# KiCad board fpga_panelized.kicad_pcb (continued)
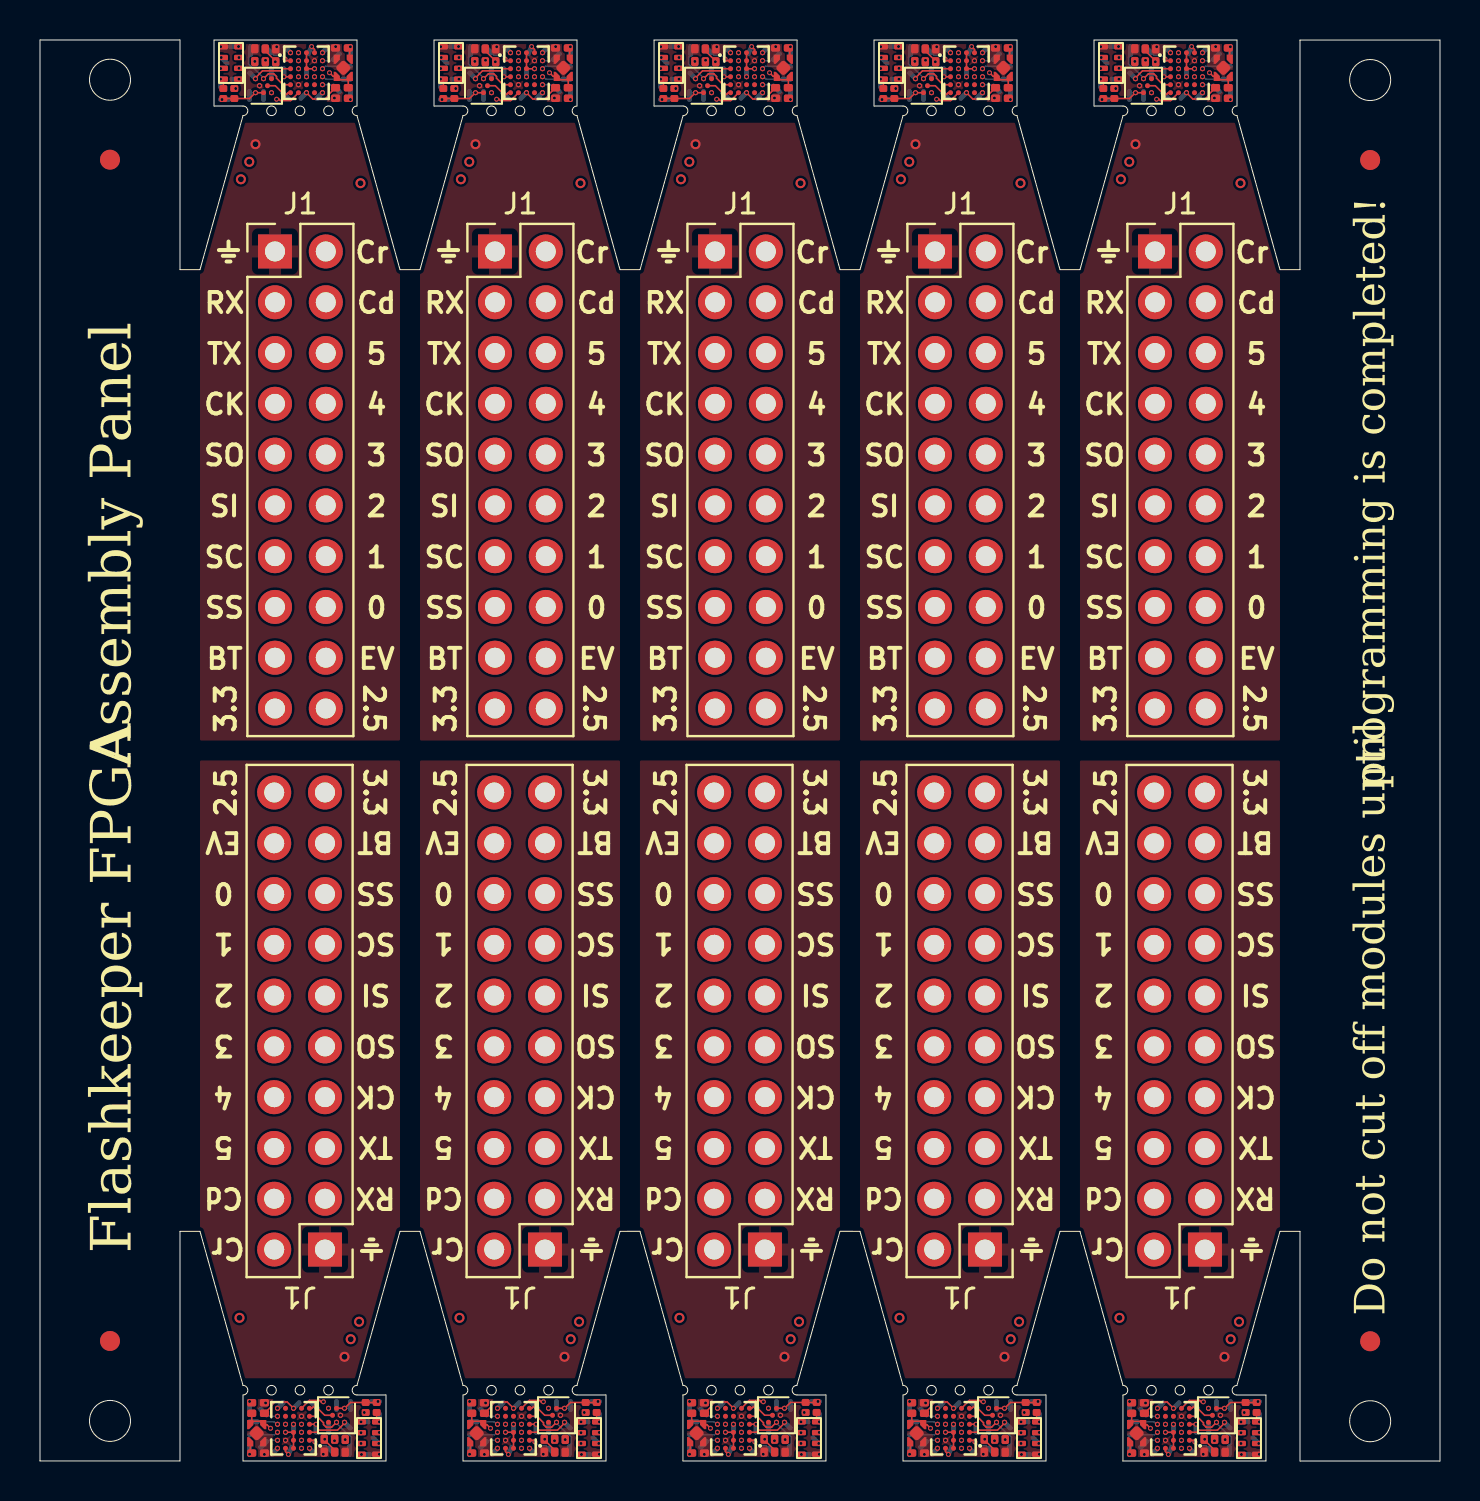
[diagram p0: board, top side]
## Library data of the parts
C1 C1#2-C1#10 C2 C2#2-C2#10 C3 C3#2-C3#10 C4 C4#2-C4#10 = -: Description: Unpolarized capacitor; JLC: C335103; ki_fp_filters: C_*
J1 J1#2-J1#10 = -: Description: Generic connector, double row, 02x10, odd/even pin numbering scheme (row 1 odd numbers, row 2 even numbers), script generated (kicad-library-utils/schlib/autogen/connector/); ki_fp_filters: Connector*:*_2x??_*
R1 R1#2-R1#10 = -: Description: Resistor, US symbol; JLC: C106225; ki_fp_filters: R_*
R3 R3#2-R3#10 = -: Description: Resistor, US symbol; JLC: C77623; ki_fp_filters: R_*
REF** REF**#2-REF**#4 = -: KiLib_Generator: fiducial
RN1 RN1#2-RN1#10 = -: Description: 2 resistor array; JLC: C1731882; ki_fp_filters: R?Array?SIP*
TP1 TP1#2-TP1#10 TP2 TP2#2-TP2#10 TP3 TP3#2-TP3#10 TP4 TP4#2-TP4#10 TP5 TP5#2-TP5#10 TP6 TP6#2-TP6#10 TP7 TP7#2-TP7#10 TP8 TP8#2-TP8#10 TP9 TP9#2-TP9#10 TP10 TP10#2-TP10#10 TP11 TP11#2-TP11#10 TP12 TP12#2-TP12#10 TP13 TP13#2-TP13#10 TP14 TP14#2-TP14#10 TP15 TP15#2-TP15#10 TP16 TP16#2-TP16#10 TP17 TP17#2-TP17#10 TP18 TP18#2-TP18#10 TP19 TP19#2-TP19#10 TP20 TP20#2-TP20#10 TP21 TP21#2-TP21#10 TP23 TP23#2-TP23#10 TP24 TP24#2-TP24#10 TP25 TP25#2-TP25#10 TP26 TP26#2-TP26#10 = -: Description: test point; ki_fp_filters: Pin* Test*
U1 U1#2-U1#10 = -: MANUFACTURER: Lattice Semiconductor; PARTREV: 1.4; STANDARD: IPC7351B; SNAPEDA_PACKAGE_ID: 43866; JLC: C1519053
U2 U2#2-U2#10 = -: Datasheet: https://www.ti.com/lit/ds/symlink/tps7a20.pdf; Description: 300 mA Low Dropout Voltage Regulator, Fixed Output, 1.6..6.0Vin, Low-Noise (7μV RMS), 6.5μA IQ LDO, X2SON-5; JLC: C880336; ki_fp_filters: *X2SON*1x1mm*P0.65mm*
U3 U3#2-U3#10 = -: Datasheet: http://www.adestotech.com/wp-content/uploads/DS-AT25DF041B_040.pdf; Description: 4-Mbit, 1.65V Minimum SPI Serial Flash Memory with Dual-I/O, WLCSP-8; JLC: C2062836; ki_fp_filters: WLCSP?8*1.58x1.63*Layout3x5*P0.35x0.4mm*Ball0.25mm*
U4 U4#2-U4#10 = -: Datasheet: https://www.microcrystal.com/fileadmin/Media/Products/RTC/Datasheet/RV-3028-C7.pdf; Description: Realtime Clock/Calendar I2C Interface, Extreme Low Power, 1.1 V to 5.5 V, MicroCrystal C7; JLC: C46471039; ki_fp_filters: MicroCrystal*C7*1.5x3.2mm*

## Footprints (pads in the part's own frame, mm; a bottom-side part is the same pattern mirrored in y, then rotated)
BGA30N40P5X6_253X211X60N
  round 0.25 smd: A1(-0.8,1) A2(-0.4,1) A3(0,1) A4(0.4,1) A5(0.8,1) B1(-0.8,0.6) B2(-0.4,0.6) B3(0,0.6) B4(0.4,0.6) B5(0.8,0.6) C1(-0.8,0.2) C2(-0.4,0.2) C3(0,0.2) C4(0.4,0.2) C5(0.8,0.2) D1(-0.8,-0.2) D2(-0.4,-0.2) D3(0,-0.2) D4(0.4,-0.2) D5(0.8,-0.2) E1(-0.8,-0.6) E2(-0.4,-0.6) E3(0,-0.6) E4(0.4,-0.6) E5(0.8,-0.6) F1(-0.8,-1) F2(-0.4,-1) F3(0,-1) F4(0.4,-1) F5(0.8,-1)
C_Smaller_0201
  rrect 0.318x0.36 smd: (-0.345,0) (0.345,0)
  rrect 0.46x0.375 smd: 1(-0.32,0) 2(0.32,0)
Fiducial_1mm_Mask2mm
  round 1 smd: (0,0)
FPGACenterPad
  oval 0.25x0.65 smd far side: 1(0,0.2)
PinHeader_2x10_P2.54mm_Vertical
  rect 1.7x1.7 hole 1: 1(0,0)
  round 1.7 hole 1: 2(2.54,0) 3(0,-2.54) 4(2.54,-2.54) 5(0,-5.08) 6(2.54,-5.08) 7(0,-7.62) 8(2.54,-7.62) 9(0,-10.16) 10(2.54,-10.16) 11(0,-12.7) 12(2.54,-12.7) 13(0,-15.24) 14(2.54,-15.24) 15(0,-17.78) 16(2.54,-17.78) 17(0,-20.32) 18(2.54,-20.32) 19(0,-22.86) 20(2.54,-22.86)
R_Smaller_0201
  rrect 0.318x0.36 smd: (-0.345,0) (0.345,0)
  rrect 0.46x0.375 smd: 1(-0.32,0) 2(0.32,0)
RV-3028-C8
  rrect 0.27x0.5 smd: 1(-0.81,-0.4) 2(-0.27,-0.4) 3(0.27,-0.4) 4(0.81,-0.4) 5(0.81,0.4) 6(0.27,0.4) 7(-0.27,0.4) 8(-0.81,0.4)
Texas_X2SON-4_1x1mm_P0.65mm
  custom 0.36x0.21 smd: (-0.43,0.325) (-0.43,-0.325) (0.43,0.325) (0.43,-0.325)
  custom 0.4x0.21 smd: (-0.43,0.325) (-0.43,-0.325) (0.43,0.325) (0.43,-0.325)
  custom 0.46x0.31 smd: 1(-0.43,0.325) 2(-0.43,-0.325) 3(0.43,-0.325) 4(0.43,0.325)
  rrect 0.58x0.58 smd rot 45: 5(0,0)
WLCSP-8_1.58x1.63x0.35mm_Layout3x5_P0.35x0.4mm_Ball0.25mm_Pad0.25mm_NSMD
  round 0.25 smd: A1(-0.35,0.4) A3(0.35,0.4) B2(0,0.2) C1(-0.35,0) C3(0.35,0) D2(0,-0.2) E1(-0.35,-0.4) E3(0.35,-0.4)
YC102
  rrect 0.4x0.35 smd: 1(-0.275,-0.25) 2(-0.275,0.25) 3(0.275,-0.25) 4(0.275,0.25)

## Nets
+1V2: C2.1 C2#2.1 C2#3.1 C2#4.1 C2#5.1 C2#6.1 C2#7.1 C2#8.1 C2#9.1 C2#10.1 R3.1 R3#2.1 R3#3.1 R3#4.1 R3#5.1 R3#6.1 R3#7.1 R3#8.1 R3#9.1 R3#10.1 TP20.1 TP20#2.1 TP20#3.1 TP20#4.1 TP20#5.1 TP20#6.1 TP20#7.1 TP20#8.1 TP20#9.1 TP20#10.1 U1.C2 U1#2.C2 U1#3.C2 U1#4.C2 U1#5.C2 U1#6.C2 U1#7.C2 U1#8.C2 U1#9.C2 U1#10.C2 U2.1 U2#2.1 U2#3.1 U2#4.1 U2#5.1 U2#6.1 U2#7.1 U2#8.1 U2#9.1 U2#10.1
+2V5: C4.2 C4#2.2 C4#3.2 C4#4.2 C4#5.2 C4#6.2 C4#7.2 C4#8.2 C4#9.2 C4#10.2 J1.20 J1#2.20 J1#3.20 J1#4.20 J1#5.20 J1#6.20 J1#7.20 J1#8.20 J1#9.20 J1#10.20 TP19.1 TP19#2.1 TP19#3.1 TP19#4.1 TP19#5.1 TP19#6.1 TP19#7.1 TP19#8.1 TP19#9.1 TP19#10.1 U1.D4 U1#2.D4 U1#3.D4 U1#4.D4 U1#5.D4 U1#6.D4 U1#7.D4 U1#8.D4 U1#9.D4 U1#10.D4
GND: C1.2 C1#2.2 C1#3.2 C1#4.2 C1#5.2 C1#6.2 C1#7.2 C1#8.2 C1#9.2 C1#10.2 C2.2 C2#2.2 C2#3.2 C2#4.2 C2#5.2 C2#6.2 C2#7.2 C2#8.2 C2#9.2 C2#10.2 C3.1 C3#2.1 C3#3.1 C3#4.1 C3#5.1 C3#6.1 C3#7.1 C3#8.1 C3#9.1 C3#10.1 C4.1 C4#2.1 C4#3.1 C4#4.1 C4#5.1 C4#6.1 C4#7.1 C4#8.1 C4#9.1 C4#10.1 J1.1 J1#2.1 J1#3.1 J1#4.1 J1#5.1 J1#6.1 J1#7.1 J1#8.1 J1#9.1 J1#10.1 TP16.1 TP16#2.1 TP16#3.1 TP16#4.1 TP16#5.1 TP16#6.1 TP16#7.1 TP16#8.1 TP16#9.1 TP16#10.1 TP25.1 TP25#2.1 TP25#3.1 TP25#4.1 TP25#5.1 TP25#6.1 TP25#7.1 TP25#8.1 TP25#9.1 TP25#10.1 U1.B4 U1.E2 U1#2.B4 U1#2.E2 U1#3.B4 U1#3.E2 U1#4.B4 U1#4.E2 U1#5.B4 U1#5.E2 U1#6.B4 U1#6.E2 U1#7.B4 U1#7.E2 U1#8.B4 U1#8.E2 U1#9.B4 U1#9.E2 U1#10.B4 U1#10.E2 U2.2 U2.5 U2#2.2 U2#2.5 U2#3.2 U2#3.5 U2#4.2 U2#4.5 U2#5.2 U2#5.5 U2#6.2 U2#6.5 U2#7.2 U2#7.5 U2#8.2 U2#8.5 U2#9.2 U2#9.5 U2#10.2 U2#10.5 U3.B2 U3#2.B2 U3#3.B2 U3#4.B2 U3#5.B2 U3#6.B2 U3#7.B2 U3#8.B2 U3#9.B2 U3#10.B2 U4.5 U4#2.5 U4#3.5 U4#4.5 U4#5.5 U4#6.5 U4#7.5 U4#8.5 U4#9.5 U4#10.5
VBAT: J1.17 J1#2.17 J1#3.17 J1#4.17 J1#5.17 J1#6.17 J1#7.17 J1#8.17 J1#9.17 J1#10.17 TP21.1 TP21#2.1 TP21#3.1 TP21#4.1 TP21#5.1 TP21#6.1 TP21#7.1 TP21#8.1 TP21#9.1 TP21#10.1 U4.6 U4#2.6 U4#3.6 U4#4.6 U4#5.6 U4#6.6 U4#7.6 U4#8.6 U4#9.6 U4#10.6
VBUS: C3.2 C3#2.2 C3#3.2 C3#4.2 C3#5.2 C3#6.2 C3#7.2 C3#8.2 C3#9.2 C3#10.2 J1.19 J1#2.19 J1#3.19 J1#4.19 J1#5.19 J1#6.19 J1#7.19 J1#8.19 J1#9.19 J1#10.19 R1.1 R1#2.1 R1#3.1 R1#4.1 R1#5.1 R1#6.1 R1#7.1 R1#8.1 R1#9.1 R1#10.1 RN1.1 RN1.3 RN1#2.1 RN1#2.3 RN1#3.1 RN1#3.3 RN1#4.1 RN1#4.3 RN1#5.1 RN1#5.3 RN1#6.1 RN1#6.3 RN1#7.1 RN1#7.3 RN1#8.1 RN1#8.3 RN1#9.1 RN1#9.3 RN1#10.1 RN1#10.3 TP9.1 TP9#2.1 TP9#3.1 TP9#4.1 TP9#5.1 TP9#6.1 TP9#7.1 TP9#8.1 TP9#9.1 TP9#10.1 TP26.1 TP26#2.1 TP26#3.1 TP26#4.1 TP26#5.1 TP26#6.1 TP26#7.1 TP26#8.1 TP26#9.1 TP26#10.1 U1.A3 U1.B3 U1.C3 U1.C4 U1.D2 U1#2.A3 U1#2.B3 U1#2.C3 U1#2.C4 U1#2.D2 U1#3.A3 U1#3.B3 U1#3.C3 U1#3.C4 U1#3.D2 U1#4.A3 U1#4.B3 U1#4.C3 U1#4.C4 U1#4.D2 U1#5.A3 U1#5.B3 U1#5.C3 U1#5.C4 U1#5.D2 U1#6.A3 U1#6.B3 U1#6.C3 U1#6.C4 U1#6.D2 U1#7.A3 U1#7.B3 U1#7.C3 U1#7.C4 U1#7.D2 U1#8.A3 U1#8.B3 U1#8.C3 U1#8.C4 U1#8.D2 U1#9.A3 U1#9.B3 U1#9.C3 U1#9.C4 U1#9.D2 U1#10.A3 U1#10.B3 U1#10.C3 U1#10.C4 U1#10.D2 U2.3 U2.4 U2#2.3 U2#2.4 U2#3.3 U2#3.4 U2#4.3 U2#4.4 U2#5.3 U2#5.4 U2#6.3 U2#6.4 U2#7.3 U2#7.4 U2#8.3 U2#8.4 U2#9.3 U2#9.4 U2#10.3 U2#10.4 U3.A1 U3.C1 U3#2.A1 U3#2.C1 U3#3.A1 U3#3.C1 U3#4.A1 U3#4.C1 U3#5.A1 U3#5.C1 U3#6.A1 U3#6.C1 U3#7.A1 U3#7.C1 U3#8.A1 U3#8.C1 U3#9.A1 U3#9.C1 U3#10.A1 U3#10.C1 U4.7 U4#2.7 U4#3.7 U4#4.7 U4#5.7 U4#6.7 U4#7.7 U4#8.7 U4#9.7 U4#10.7
CDONE: J1.4 J1#2.4 J1#3.4 J1#4.4 J1#5.4 J1#6.4 J1#7.4 J1#8.4 J1#9.4 J1#10.4 TP1.1 TP1#2.1 TP1#3.1 TP1#4.1 TP1#5.1 TP1#6.1 TP1#7.1 TP1#8.1 TP1#9.1 TP1#10.1 U1.D3 U1#2.D3 U1#3.D3 U1#4.D3 U1#5.D3 U1#6.D3 U1#7.D3 U1#8.D3 U1#9.D3 U1#10.D3
CLK: J1.7 J1#2.7 J1#3.7 J1#4.7 J1#5.7 J1#6.7 J1#7.7 J1#8.7 J1#9.7 J1#10.7 TP11.1 TP11#2.1 TP11#3.1 TP11#4.1 TP11#5.1 TP11#6.1 TP11#7.1 TP11#8.1 TP11#9.1 TP11#10.1 U1.F2 U1#2.F2 U1#3.F2 U1#4.F2 U1#5.F2 U1#6.F2 U1#7.F2 U1#8.F2 U1#9.F2 U1#10.F2 U4.1 U4#2.1 U4#3.1 U4#4.1 U4#5.1 U4#6.1 U4#7.1 U4#8.1 U4#9.1 U4#10.1
CRESET: J1.2 J1#2.2 J1#3.2 J1#4.2 J1#5.2 J1#6.2 J1#7.2 J1#8.2 J1#9.2 J1#10.2 R1.2 R1#2.2 R1#3.2 R1#4.2 R1#5.2 R1#6.2 R1#7.2 R1#8.2 R1#9.2 R1#10.2 TP18.1 TP18#2.1 TP18#3.1 TP18#4.1 TP18#5.1 TP18#6.1 TP18#7.1 TP18#8.1 TP18#9.1 TP18#10.1 U1.F3 U1#2.F3 U1#3.F3 U1#4.F3 U1#5.F3 U1#6.F3 U1#7.F3 U1#8.F3 U1#9.F3 U1#10.F3
CSPI_MISO: J1.11 J1#2.11 J1#3.11 J1#4.11 J1#5.11 J1#6.11 J1#7.11 J1#8.11 J1#9.11 J1#10.11 TP13.1 TP13#2.1 TP13#3.1 TP13#4.1 TP13#5.1 TP13#6.1 TP13#7.1 TP13#8.1 TP13#9.1 TP13#10.1 U1.E1 U1#2.E1 U1#3.E1 U1#4.E1 U1#5.E1 U1#6.E1 U1#7.E1 U1#8.E1 U1#9.E1 U1#10.E1 U3.C3 U3#2.C3 U3#3.C3 U3#4.C3 U3#5.C3 U3#6.C3 U3#7.C3 U3#8.C3 U3#9.C3 U3#10.C3
CSPI_MOSI: J1.9 J1#2.9 J1#3.9 J1#4.9 J1#5.9 J1#6.9 J1#7.9 J1#8.9 J1#9.9 J1#10.9 TP12.1 TP12#2.1 TP12#3.1 TP12#4.1 TP12#5.1 TP12#6.1 TP12#7.1 TP12#8.1 TP12#9.1 TP12#10.1 U1.F1 U1#2.F1 U1#3.F1 U1#4.F1 U1#5.F1 U1#6.F1 U1#7.F1 U1#8.F1 U1#9.F1 U1#10.F1 U3.D2 U3#2.D2 U3#3.D2 U3#4.D2 U3#5.D2 U3#6.D2 U3#7.D2 U3#8.D2 U3#9.D2 U3#10.D2
CSPI_SCK: J1.13 J1#2.13 J1#3.13 J1#4.13 J1#5.13 J1#6.13 J1#7.13 J1#8.13 J1#9.13 J1#10.13 TP14.1 TP14#2.1 TP14#3.1 TP14#4.1 TP14#5.1 TP14#6.1 TP14#7.1 TP14#8.1 TP14#9.1 TP14#10.1 U1.D1 U1#2.D1 U1#3.D1 U1#4.D1 U1#5.D1 U1#6.D1 U1#7.D1 U1#8.D1 U1#9.D1 U1#10.D1 U3.E1 U3#2.E1 U3#3.E1 U3#4.E1 U3#5.E1 U3#6.E1 U3#7.E1 U3#8.E1 U3#9.E1 U3#10.E1 U4.3 U4#2.3 U4#3.3 U4#4.3 U4#5.3 U4#6.3 U4#7.3 U4#8.3 U4#9.3 U4#10.3
CSPI_SS: J1.15 J1#2.15 J1#3.15 J1#4.15 J1#5.15 J1#6.15 J1#7.15 J1#8.15 J1#9.15 J1#10.15 RN1.4 RN1#2.4 RN1#3.4 RN1#4.4 RN1#5.4 RN1#6.4 RN1#7.4 RN1#8.4 RN1#9.4 RN1#10.4 TP15.1 TP15#2.1 TP15#3.1 TP15#4.1 TP15#5.1 TP15#6.1 TP15#7.1 TP15#8.1 TP15#9.1 TP15#10.1 U1.C1 U1#2.C1 U1#3.C1 U1#4.C1 U1#5.C1 U1#6.C1 U1#7.C1 U1#8.C1 U1#9.C1 U1#10.C1 U3.A3 U3#2.A3 U3#3.A3 U3#4.A3 U3#5.A3 U3#6.A3 U3#7.A3 U3#8.A3 U3#9.A3 U3#10.A3
DRX: J1.3 J1#2.3 J1#3.3 J1#4.3 J1#5.3 J1#6.3 J1#7.3 J1#8.3 J1#9.3 J1#10.3 TP10.1 TP10#2.1 TP10#3.1 TP10#4.1 TP10#5.1 TP10#6.1 TP10#7.1 TP10#8.1 TP10#9.1 TP10#10.1 U1.A1 U1#2.A1 U1#3.A1 U1#4.A1 U1#5.A1 U1#6.A1 U1#7.A1 U1#8.A1 U1#9.A1 U1#10.A1
DTX: J1.5 J1#2.5 J1#3.5 J1#4.5 J1#5.5 J1#6.5 J1#7.5 J1#8.5 J1#9.5 J1#10.5 TP17.1 TP17#2.1 TP17#3.1 TP17#4.1 TP17#5.1 TP17#6.1 TP17#7.1 TP17#8.1 TP17#9.1 TP17#10.1 U1.B1 U1#2.B1 U1#3.B1 U1#4.B1 U1#5.B1 U1#6.B1 U1#7.B1 U1#8.B1 U1#9.B1 U1#10.B1
EVT: J1.18 J1#2.18 J1#3.18 J1#4.18 J1#5.18 J1#6.18 J1#7.18 J1#8.18 J1#9.18 J1#10.18 RN1.2 RN1#2.2 RN1#3.2 RN1#4.2 RN1#5.2 RN1#6.2 RN1#7.2 RN1#8.2 RN1#9.2 RN1#10.2 TP23.1 TP23#2.1 TP23#3.1 TP23#4.1 TP23#5.1 TP23#6.1 TP23#7.1 TP23#8.1 TP23#9.1 TP23#10.1 U4.8 U4#2.8 U4#3.8 U4#4.8 U4#5.8 U4#6.8 U4#7.8 U4#8.8 U4#9.8 U4#10.8
GPIO0: J1.16 J1#2.16 J1#3.16 J1#4.16 J1#5.16 J1#6.16 J1#7.16 J1#8.16 J1#9.16 J1#10.16 TP2.1 TP2#2.1 TP2#3.1 TP2#4.1 TP2#5.1 TP2#6.1 TP2#7.1 TP2#8.1 TP2#9.1 TP2#10.1 U1.A5 U1#2.A5 U1#3.A5 U1#4.A5 U1#5.A5 U1#6.A5 U1#7.A5 U1#8.A5 U1#9.A5 U1#10.A5
GPIO1: J1.14 J1#2.14 J1#3.14 J1#4.14 J1#5.14 J1#6.14 J1#7.14 J1#8.14 J1#9.14 J1#10.14 TP3.1 TP3#2.1 TP3#3.1 TP3#4.1 TP3#5.1 TP3#6.1 TP3#7.1 TP3#8.1 TP3#9.1 TP3#10.1 U1.B5 U1#2.B5 U1#3.B5 U1#4.B5 U1#5.B5 U1#6.B5 U1#7.B5 U1#8.B5 U1#9.B5 U1#10.B5
GPIO2: J1.12 J1#2.12 J1#3.12 J1#4.12 J1#5.12 J1#6.12 J1#7.12 J1#8.12 J1#9.12 J1#10.12 TP4.1 TP4#2.1 TP4#3.1 TP4#4.1 TP4#5.1 TP4#6.1 TP4#7.1 TP4#8.1 TP4#9.1 TP4#10.1 U1.C5 U1#2.C5 U1#3.C5 U1#4.C5 U1#5.C5 U1#6.C5 U1#7.C5 U1#8.C5 U1#9.C5 U1#10.C5
GPIO3: J1.10 J1#2.10 J1#3.10 J1#4.10 J1#5.10 J1#6.10 J1#7.10 J1#8.10 J1#9.10 J1#10.10 TP5.1 TP5#2.1 TP5#3.1 TP5#4.1 TP5#5.1 TP5#6.1 TP5#7.1 TP5#8.1 TP5#9.1 TP5#10.1 U1.E5 U1#2.E5 U1#3.E5 U1#4.E5 U1#5.E5 U1#6.E5 U1#7.E5 U1#8.E5 U1#9.E5 U1#10.E5
GPIO4: J1.8 J1#2.8 J1#3.8 J1#4.8 J1#5.8 J1#6.8 J1#7.8 J1#8.8 J1#9.8 J1#10.8 TP6.1 TP6#2.1 TP6#3.1 TP6#4.1 TP6#5.1 TP6#6.1 TP6#7.1 TP6#8.1 TP6#9.1 TP6#10.1 U1.D5 U1#2.D5 U1#3.D5 U1#4.D5 U1#5.D5 U1#6.D5 U1#7.D5 U1#8.D5 U1#9.D5 U1#10.D5
GPIO5: J1.6 J1#2.6 J1#3.6 J1#4.6 J1#5.6 J1#6.6 J1#7.6 J1#8.6 J1#9.6 J1#10.6 TP7.1 TP7#2.1 TP7#3.1 TP7#4.1 TP7#5.1 TP7#6.1 TP7#7.1 TP7#8.1 TP7#9.1 TP7#10.1 U1.F5 U1#2.F5 U1#3.F5 U1#4.F5 U1#5.F5 U1#6.F5 U1#7.F5 U1#8.F5 U1#9.F5 U1#10.F5
RTC_INT: TP8.1 TP8#2.1 TP8#3.1 TP8#4.1 TP8#5.1 TP8#6.1 TP8#7.1 TP8#8.1 TP8#9.1 TP8#10.1 U1.A4 U1#2.A4 U1#3.A4 U1#4.A4 U1#5.A4 U1#6.A4 U1#7.A4 U1#8.A4 U1#9.A4 U1#10.A4 U4.2 U4#2.2 U4#3.2 U4#4.2 U4#5.2 U4#6.2 U4#7.2 U4#8.2 U4#9.2 U4#10.2
RTC_SDA: TP24.1 TP24#2.1 TP24#3.1 TP24#4.1 TP24#5.1 TP24#6.1 TP24#7.1 TP24#8.1 TP24#9.1 TP24#10.1 U1.A2 U1#2.A2 U1#3.A2 U1#4.A2 U1#5.A2 U1#6.A2 U1#7.A2 U1#8.A2 U1#9.A2 U1#10.A2 U4.4 U4#2.4 U4#3.4 U4#4.4 U4#5.4 U4#6.4 U4#7.4 U4#8.4 U4#9.4 U4#10.4
Net-(U1-VCCPLL): C1.1 C1#2.1 C1#3.1 C1#4.1 C1#5.1 C1#6.1 C1#7.1 C1#8.1 C1#9.1 C1#10.1 R3.2 R3#2.2 R3#3.2 R3#4.2 R3#5.2 R3#6.2 R3#7.2 R3#8.2 R3#9.2 R3#10.2 U1.B2 U1#2.B2 U1#3.B2 U1#4.B2 U1#5.B2 U1#6.B2 U1#7.B2 U1#8.B2 U1#9.B2 U1#10.B2

Pads without a net: U1 E3 E4 F4; U1#2 E3 E4 F4; U1#3 E3 E4 F4; U1#4 E3 E4 F4; U1#5 E3 E4 F4; U1#6 E3 E4 F4; U1#7 E3 E4 F4; U1#8 E3 E4 F4; U1#9 E3 E4 F4; U1#10 E3 E4 F4; U3 E3; U3#2 E3; U3#3 E3; U3#4 E3; U3#5 E3; U3#6 E3; U3#7 E3; U3#8 E3; U3#9 E3; U3#10 E3

## Via types
v1: diameter 0.25, hole 0.15, Top to Bottom, 460 vias
v2: diameter 0.5, hole 0.3, Top to Bottom, 40 vias

## Routing (per net, layer and track width the routed paths; a pad name or vN(x,y) marks a point on that pad's centre or on a via; arc(x,y) is an arc through that point)
+1V2: length 6.4
  Top w0.076: v1(37.52,70.74) 37.52,70.64 37.49,70.61 U2#8.1 ; v1(59.52,70.74) 59.52,70.64 59.49,70.61 U2#2.1 ; U2.1 43.51,0.47 43.48,0.44 v1(43.48,0.34) ; v1(48.52,70.74) 48.52,70.64 48.49,70.61 U2#4.1 ; U2#7.1 15.49,70.61 15.52,70.64 v1(15.52,70.74) ; v1(10.48,0.34) 10.48,0.44 10.51,0.47 U2#6.1 ; v1(26.52,70.74) 26.52,70.64 26.49,70.61 U2#9.1 ; v1(54.48,0.34) 54.48,0.44 54.51,0.47 U2#10.1 ; U2#5.1 21.51,0.47 21.48,0.44 v1(21.48,0.34) ; v1(32.48,0.34) 32.48,0.44 32.51,0.47 U2#3.1
  In2.Cu w0.076: v1(15.52,70.74) 15.52,70.74 ; v1(59.52,70.74) 59.52,70.74 ; v1(54.48,0.34) 54.48,0.33 ; v1(32.48,0.34) 32.48,0.34 ; v1(10.48,0.34) 10.48,0.33 ; v1(26.52,70.74) 26.52,70.74 ; v1(48.52,70.74) 48.52,70.74 ; v1(37.52,70.74) 37.52,70.74 ; v1(43.48,0.34) 43.48,0.33 ; v1(21.48,0.34) 21.48,0.33
  vias: v1(11.27,70.06) v1(12.92,69.64) v1(13.08,1.44) v1(14.73,1.01) v1(22.27,70.06) v1(23.92,69.64) v1(24.08,1.44) v1(25.73,1.01) v1(33.28,70.06) v1(34.93,69.64) v1(35.07,1.44) v1(36.72,1.01) v1(44.27,70.06) v1(45.92,69.64) v1(46.08,1.44) v1(47.73,1.01) v1(55.27,70.06) v1(56.92,69.64) v1(57.07,1.44) v1(58.72,1.01)
+2V5: length 315.5
  In1.Cu w0.076: 21.2,4.69 21.64,4.25 21.64,3.08 21.53,2.98 v1(21.48,2.98) ; v1(15.52,68.1) 15.47,68.1 15.37,67.99 15.37,66.82 15.8,66.39 ; 32.2,4.69 32.63,4.25 32.63,3.08 32.53,2.98 v1(32.48,2.98) ; 10.2,4.69 10.64,4.25 10.64,3.08 10.53,2.98 v1(10.48,2.98) ; 37.8,66.39 37.37,66.82 37.37,67.99 37.47,68.1 v1(37.52,68.1) ; 54.2,4.69 54.63,4.25 54.63,3.08 54.53,2.98 v1(54.48,2.98) ; 59.8,66.39 59.37,66.82 59.37,67.99 59.47,68.1 v1(59.52,68.1) ; v1(43.48,2.98) 43.53,2.98 43.64,3.08 43.64,4.25 43.2,4.69 ; v1(48.52,68.1) 48.47,68.1 48.37,67.99 48.37,66.82 48.8,66.39 ; 26.8,66.39 26.37,66.82 26.37,67.99 26.47,68.1 v1(26.52,68.1)
  In1.Cu w0.125: 43.2,4.69 43.2,6.94 v2(42.97,7.16) ; 15.8,66.39 15.8,64.14 v2(16.03,63.91) ; v2(53.97,7.16) 54.2,6.94 54.2,4.69 ; 21.2,4.69 21.2,6.94 v2(20.98,7.16) ; v2(9.98,7.16) 10.2,6.94 10.2,4.69 ; 59.8,66.39 59.8,64.14 v2(60.03,63.91) ; 37.8,66.39 37.8,64.14 v2(38.03,63.91) ; 48.8,66.39 48.8,64.14 v2(49.03,63.91) ; v2(31.97,7.16) 32.2,6.94 32.2,4.69 ; 26.8,66.39 26.8,64.14 v2(27.03,63.91)
  In4.Cu w0.125: J1#7.20 31.97,31.7 v2(31.97,7.16) ; v2(60.03,63.91) 60.03,39.37 J1#2.20 ; v2(42.97,7.16) 42.97,31.7 J1#5.20 ; J1#10.20 20.98,31.7 v2(20.98,7.16) ; J1#8.20 53.97,31.7 v2(53.97,7.16) ; v2(16.03,63.91) 16.03,39.37 J1.20 ; J1#6.20 27.03,39.37 v2(27.03,63.91) ; J1#4.20 38.03,39.37 v2(38.03,63.91) ; v2(49.03,63.91) 49.03,39.37 J1#3.20 ; J1#9.20 9.98,31.7 v2(9.98,7.16)
  vias: v1(12.28,1.84) v1(13.72,69.24) v1(23.28,1.84) v1(24.72,69.24) v1(34.27,1.84) v1(35.73,69.24) v1(45.28,1.84) v1(46.72,69.24) v1(56.27,1.84) v1(57.72,69.24)
GND: length 70.8
  In3.Cu w0.125: v1(55.22,0.33) 54.97,0.33 54.41,0.89 54.41,2.42 54.89,2.9 v1(55.28,2.9) ; v1(25.72,68.17) 26.11,68.17 26.59,68.65 26.59,70.19 26.03,70.74 v1(25.78,70.74) ; v1(14.78,70.74) 15.03,70.74 15.59,70.19 15.59,68.65 15.11,68.17 v1(14.72,68.17) ; v1(36.79,70.74) 37.03,70.74 37.59,70.19 37.59,68.65 37.11,68.17 v1(36.72,68.17) ; v1(33.22,0.33) 32.97,0.33 32.41,0.89 32.41,2.42 32.89,2.9 v1(33.28,2.9) ; v1(22.28,2.9) 21.89,2.9 21.41,2.42 21.41,0.89 21.97,0.33 v1(22.22,0.33) ; v1(44.22,0.33) 43.97,0.33 43.41,0.89 43.41,2.42 43.89,2.9 v1(44.28,2.9) ; v1(58.72,68.17) 59.11,68.17 59.59,68.65 59.59,70.19 59.03,70.74 v1(58.78,70.74) ; v1(11.28,2.9) 10.89,2.9 10.41,2.42 10.41,0.89 10.97,0.33 v1(11.22,0.33) ; v1(47.72,68.17) 48.11,68.17 48.59,68.65 48.59,70.19 48.03,70.74 v1(47.78,70.74)
  In4.Cu w0.125: v1(15.03,2.29) 14.89,2.43 14.89,2.78 14.94,2.83 14.94,4.93 15.22,5.21 v2(15.23,5.21) ; v1(43.97,68.79) 44.11,68.65 44.11,68.3 44.06,68.25 44.06,66.15 43.78,65.86 v2(43.78,65.86) ; v2(10.78,65.86) 10.78,65.86 11.07,66.15 11.07,68.25 11.11,68.3 11.11,68.65 v1(10.97,68.79) ; v2(59.22,5.21) 59.22,5.21 58.93,4.93 58.93,2.82 58.88,2.78 58.88,2.42 v1(59.02,2.29) ; v1(48.03,2.29) 47.89,2.43 47.89,2.78 47.94,2.83 47.94,4.93 48.22,5.21 v2(48.22,5.21) ; v1(37.02,2.29) 36.88,2.43 36.88,2.78 36.93,2.83 36.93,4.93 37.22,5.21 v2(37.22,5.21) ; v1(26.03,2.29) 25.89,2.43 25.89,2.78 25.94,2.83 25.94,4.93 26.22,5.21 v2(26.23,5.21) ; v2(21.78,65.86) 21.78,65.86 22.07,66.15 22.07,68.25 22.11,68.3 22.11,68.65 v1(21.97,68.79) ; v2(54.78,65.86) 54.78,65.86 55.06,66.15 55.06,68.25 55.11,68.3 55.11,68.65 v1(54.97,68.79) ; v2(32.78,65.86) 32.78,65.86 33.07,66.15 33.07,68.25 33.12,68.3 33.12,68.65 v1(32.98,68.79)
  Bottom w0.076: TP16.1 33.18,68.14 ; TP16#9.1 36.82,2.94 ; TP16#2.1 22.17,68.14 ; TP16#3.1 58.82,2.94 ; TP16#8.1 25.83,2.94 ; TP16#4.1 47.83,2.94 ; TP16#10.1 11.17,68.14 ; TP16#7.1 55.17,68.14 ; TP16#6.1 14.83,2.94 ; TP16#5.1 44.17,68.14
  Bottom w0.125: TP16#5.1 44.18,68.14 ; TP16#2.1 22.18,68.14 ; TP16#8.1 25.83,2.94 ; 11.18,68.14 TP16#10.1 ; TP16#9.1 36.82,2.94 ; 14.83,2.94 TP16#6.1 ; TP16.1 33.18,68.14 ; 47.83,2.94 TP16#4.1 ; 55.18,68.14 TP16#7.1 ; TP16#3.1 58.82,2.94
  vias: v1(9.03,70.74) v1(11.84,70.74) v1(12.28,1.04) v1(12.92,68.84) v1(13.08,2.24) v1(13.72,70.04) v1(14.17,0.34) v1(16.97,0.34) v1(20.03,70.74) v1(22.84,70.74) v1(23.28,1.04) v1(23.92,68.84) v1(24.08,2.24) v1(24.72,70.04) v1(25.17,0.34) v1(27.97,0.34) v1(31.03,70.74) v1(33.84,70.74) v1(34.27,1.04) v1(34.93,68.84) v1(35.07,2.24) v1(35.73,70.04) v1(36.16,0.34) v1(38.97,0.34) v1(42.03,70.74) v1(44.84,70.74) v1(45.28,1.04) v1(45.92,68.84) v1(46.08,2.24) v1(46.72,70.04) v1(47.16,0.34) v1(49.97,0.34) v1(53.03,70.74) v1(55.84,70.74) v1(56.27,1.04) v1(56.92,68.84) v1(57.07,2.24) v1(57.72,70.04) v1(58.16,0.34) v1(60.97,0.34)
VBAT: length 328.9
  In1.Cu w0.076: 10.57,66.4 10.63,66.46 10.63,67.92 10.46,68.1 9.89,68.1 9.36,68.63 9.36,69.9 v1(9.06,70.2) ; 48.44,4.68 48.37,4.61 48.37,3.15 48.55,2.98 49.11,2.98 49.65,2.44 49.65,1.17 v1(49.94,0.88) ; 32.57,66.4 32.63,66.46 32.63,67.92 32.46,68.1 31.89,68.1 31.36,68.63 31.36,69.9 v1(31.06,70.2) ; v1(16.94,0.88) 16.65,1.17 16.65,2.44 16.11,2.98 15.55,2.98 15.37,3.15 15.37,4.61 15.44,4.68 ; v1(60.94,0.88) 60.64,1.17 60.64,2.44 60.11,2.98 59.54,2.98 59.37,3.15 59.37,4.61 59.43,4.68 ; v1(53.06,70.2) 53.36,69.9 53.36,68.63 53.89,68.1 54.46,68.1 54.63,67.92 54.63,66.46 54.56,66.4 ; 26.44,4.68 26.37,4.61 26.37,3.15 26.55,2.98 27.11,2.98 27.65,2.44 27.65,1.17 v1(27.94,0.88) ; v1(20.06,70.2) 20.36,69.9 20.36,68.63 20.89,68.1 21.46,68.1 21.63,67.92 21.63,66.46 21.57,66.4 ; 37.43,4.68 37.37,4.61 37.37,3.15 37.54,2.98 38.11,2.98 38.64,2.44 38.64,1.17 v1(38.94,0.88) ; 43.56,66.4 43.63,66.46 43.63,67.92 43.46,68.1 42.89,68.1 42.36,68.63 42.36,69.9 v1(42.06,70.2)
  In1.Cu w0.125: v2(15.96,6.97) 15.96,5.2 15.44,4.68 ; 43.56,66.4 43.05,65.88 v2(43.05,64.11) ; v2(26.96,6.97) 26.96,5.2 26.44,4.68 ; 54.56,66.4 54.05,65.88 v2(54.05,64.11) ; 32.57,66.4 32.05,65.88 v2(32.05,64.11) ; v2(37.95,6.97) 37.95,5.2 37.43,4.68 ; v2(10.05,64.11) 10.05,65.88 10.57,66.4 ; 59.43,4.68 59.95,5.2 v2(59.95,6.97) ; v2(48.96,6.97) 48.96,5.2 48.44,4.68 ; 21.57,66.4 21.05,65.88 v2(21.05,64.11)
  In2.Cu w0.125: J1#5.17 50.09,28.05 50.09,9.29 48.96,8.15 v2(48.96,6.97) ; v2(37.95,6.97) 37.95,8.15 39.09,9.29 39.09,28.05 J1#7.17 ; J1#9.17 17.09,28.05 17.09,9.29 15.96,8.15 v2(15.96,6.97) ; v2(32.05,64.11) 32.05,62.93 30.91,61.79 30.91,43.02 J1#4.17 ; v2(21.05,64.11) 21.05,62.93 19.91,61.79 19.91,43.02 J1#6.17 ; J1#8.17 61.09,28.05 61.09,9.29 59.95,8.15 v2(59.95,6.97) ; v2(26.96,6.97) 26.96,8.15 28.09,9.29 28.09,28.05 J1#10.17 ; v2(54.05,64.11) 54.05,62.93 52.91,61.79 52.91,43.02 J1#2.17 ; J1.17 8.91,43.02 8.91,61.79 10.05,62.93 v2(10.05,64.11) ; J1#3.17 41.91,43.02 41.91,61.79 43.05,62.93 v2(43.05,64.11)
VBUS: length 95.2
  Top w0.076: v1(13.72,69.64) U1#9.C3 U1#9.B3 U1#9.A3 ; U3#6.C1 v1(43.77,68.44) 43.77,68.44 43.47,68.15 RN1.3 42.15,68.15 v1(42.1,68.1) ; 10.61,2.37 10.61,2.37 R1#8.1 10.59,1.89 10.52,1.83 10.52,1.83 U2#6.4 10.67,1.98 11,1.98 U2#6.3 11.17,1.82 11.17,1.82 11.35,1.82 v1(11.53,1.64) ; v1(31.1,68.1) 31.15,68.15 RN1#2.3 32.48,68.15 32.77,68.44 v1(32.78,68.44) U3#9.C1 ; U1#3.A3 U1#3.B3 U1#3.C3 v1(46.72,69.64) ; v1(56.27,1.44) U1#2.C3 U1#2.B3 U1#2.A3 ; U1#8.A3 U1#8.B3 U1#8.C3 v1(57.72,69.64) ; v1(47.47,69.44) 47.65,69.26 47.83,69.26 47.83,69.25 47.84,69.25 48,69.09 48.33,69.09 48.49,69.25 48.48,69.25 48.48,69.25 48.41,69.18 R1.1 48.39,68.71 48.39,68.71 ; v1(53.1,68.1) 53.15,68.15 RN1#10.3 54.47,68.15 54.77,68.44 v1(54.77,68.44) U3#3.C1 ; U1#6.A3 U1#6.B3 U1#6.C3 v1(45.28,1.44) ; U1.A3 U1.B3 U1.C3 v1(34.27,1.44) ; U1#5.A3 U1#5.B3 U1#5.C3 v1(23.28,1.44) ; v1(9.1,68.1) 9.15,68.15 RN1#8.3 10.48,68.15 10.77,68.44 v1(10.77,68.44) U3#7.C1 ; 20.15,69.65 20.3,69.65 ; v1(44.53,1.64) 44.35,1.82 44.17,1.82 44.17,1.82 U2.3 44,1.98 43.67,1.98 U2.4 43.52,1.83 43.52,1.83 43.59,1.89 R1#3.1 43.61,2.37 43.61,2.37 ; U3#5.C1 v1(15.23,2.64) 15.23,2.64 15.53,2.93 RN1#3.3 16.85,2.93 v1(16.9,2.98) ; v1(24.72,69.64) U1#4.C3 U1#4.B3 U1#4.A3 ; v1(60.9,2.98) 60.85,2.93 RN1#5.3 59.52,2.93 59.23,2.64 v1(59.22,2.64) U3.C1 ; v1(36.48,69.44) 36.66,69.26 36.83,69.26 36.84,69.25 36.84,69.25 37,69.09 37.33,69.09 37.49,69.25 37.49,69.25 37.48,69.25 37.42,69.18 R1#5.1 37.4,68.71 37.39,68.71 ; v1(25.47,69.44) 25.65,69.26 25.83,69.26 25.83,69.25 25.84,69.25 26,69.09 26.33,69.09 26.49,69.25 26.48,69.25 26.48,69.25 26.41,69.18 R1#10.1 26.39,68.71 26.39,68.71 ; U3#4.C1 v1(37.22,2.64) 37.23,2.64 37.52,2.93 RN1#4.3 38.85,2.93 v1(38.9,2.98) ; 32.61,2.37 32.6,2.37 R1#4.1 32.58,1.89 32.52,1.83 32.51,1.83 U2#3.4 32.67,1.98 33,1.98 U2#3.3 33.16,1.82 33.17,1.82 33.34,1.82 v1(33.52,1.64) ; 60.85,1.43 60.7,1.43 ; 16.85,1.43 16.71,1.43 ; v1(20.1,68.1) 20.15,68.15 RN1#9.3 21.48,68.15 21.77,68.44 v1(21.77,68.44) U3#2.C1 ; 49.85,1.43 49.71,1.43 ; v1(58.47,69.44) 58.65,69.26 58.83,69.26 58.83,69.25 58.84,69.25 59,69.09 59.33,69.09 59.49,69.25 59.48,69.25 59.48,69.25 59.41,69.18 R1#6.1 59.39,68.71 59.39,68.71 ; v1(35.73,69.64) U1#7.C3 U1#7.B3 U1#7.A3 ; 38.85,1.43 38.7,1.43 ; U3#10.C1 v1(48.23,2.64) 48.24,2.64 48.53,2.93 RN1#7.3 49.85,2.93 v1(49.9,2.98) ; U3#8.C1 v1(26.23,2.64) 26.23,2.64 26.53,2.93 RN1#6.3 27.85,2.93 v1(27.9,2.98) ; 53.15,69.65 53.3,69.65 ; v1(14.47,69.44) 14.65,69.26 14.83,69.26 14.83,69.25 14.84,69.25 15,69.09 15.33,69.09 15.49,69.25 15.48,69.25 15.48,69.25 15.41,69.18 R1#2.1 15.39,68.71 15.39,68.71 ; v1(55.52,1.64) 55.34,1.82 55.17,1.82 55.16,1.82 U2#10.3 55,1.98 54.67,1.98 U2#10.4 54.51,1.83 54.52,1.83 54.58,1.89 R1#7.1 54.6,2.37 54.61,2.37 ; v1(22.53,1.64) 22.35,1.82 22.17,1.82 22.17,1.82 U2#5.3 22,1.98 21.67,1.98 U2#5.4 21.52,1.83 21.52,1.83 21.59,1.89 R1#9.1 21.61,2.37 21.61,2.37 ; U1#10.A3 U1#10.B3 U1#10.C3 v1(12.28,1.44) ; 42.15,69.65 42.3,69.65 ; 9.15,69.65 9.3,69.65 ; 31.15,69.65 31.3,69.65 ; 27.85,1.43 27.71,1.43
  In1.Cu w0.076: 12.32,1.44 v1(12.28,1.44) ; 13.12,1.84 v1(13.08,1.84) ; 35.68,69.64 v1(35.73,69.64) ; 13.68,69.64 v1(13.72,69.64) ; 24.68,69.64 v1(24.72,69.64) ; 12.88,69.24 v1(12.92,69.24) ; 56.32,1.44 v1(56.27,1.44) ; 34.32,1.44 v1(34.27,1.44) ; 57.68,69.64 v1(57.72,69.64) ; 23.88,69.24 v1(23.92,69.24) ; 57.12,1.84 v1(57.07,1.84) ; 45.32,1.44 v1(45.28,1.44) ; 46.68,69.64 v1(46.72,69.64) ; 35.12,1.84 v1(35.07,1.84) ; 46.12,1.84 v1(46.08,1.84) ; 56.88,69.24 v1(56.92,69.24) ; 34.88,69.24 v1(34.93,69.24) ; 24.12,1.84 v1(24.08,1.84) ; 45.88,69.24 v1(45.92,69.24) ; 23.32,1.44 v1(23.28,1.44)
  In2.Cu w0.076: 37.45,4.69 37.21,4.45 37.21,2.65 v1(37.22,2.64) ; v1(10.77,68.44) 10.78,68.43 10.78,66.62 10.55,66.39 ; v1(21.77,68.44) 21.78,68.43 21.78,66.62 21.55,66.39 ; 32.55,66.39 32.79,66.62 32.79,68.43 v1(32.78,68.44) ; v1(43.77,68.44) 43.78,68.43 43.78,66.62 43.55,66.39 ; v1(54.77,68.44) 54.78,68.43 54.78,66.62 54.55,66.39 ; 59.45,4.69 59.21,4.45 59.21,2.65 v1(59.22,2.64) ; v1(15.23,2.64) 15.22,2.65 15.22,4.45 15.45,4.69 ; 26.45,4.69 26.22,4.45 26.22,2.65 v1(26.23,2.64) ; 48.45,4.69 48.22,4.45 48.22,2.65 v1(48.23,2.64)
  In2.Cu w0.125: 48.45,4.69 48.64,4.88 48.64,5.7 48.53,5.8 v2(48.53,6.09) ; 21.55,66.39 21.36,66.2 21.36,65.38 21.47,65.27 v2(21.47,64.98) ; v2(43.47,64.98) 43.47,65.27 43.36,65.38 43.36,66.2 43.55,66.39 ; v2(32.47,64.98) 32.47,65.27 32.36,65.38 32.36,66.2 32.55,66.39 ; v2(54.47,64.98) 54.47,65.27 54.36,65.38 54.36,66.2 54.55,66.39 ; v2(10.47,64.98) 10.47,65.27 10.36,65.38 10.36,66.2 10.55,66.39 ; v2(15.54,6.09) 15.54,5.8 15.64,5.7 15.64,4.88 15.45,4.69 ; 26.45,4.69 26.64,4.88 26.64,5.7 26.54,5.8 v2(26.54,6.09) ; v2(59.53,6.09) 59.53,5.8 59.64,5.7 59.64,4.87 59.45,4.69 ; 37.45,4.69 37.64,4.88 37.64,5.7 37.53,5.8 v2(37.53,6.09)
  Bottom w0.076: v1(54.77,68.44) 54.57,68.44 54.47,68.34 ; v1(37.22,2.64) 37.42,2.64 37.52,2.74 ; 15.53,2.74 15.43,2.64 v1(15.23,2.64) ; 26.53,2.74 26.43,2.64 v1(26.23,2.64) ; v1(43.77,68.44) 43.57,68.44 43.47,68.34 ; v1(32.78,68.44) 32.58,68.44 32.48,68.34 ; v1(10.77,68.44) 10.57,68.44 10.47,68.34 ; 21.47,68.34 21.57,68.44 v1(21.77,68.44) ; 59.52,2.74 59.42,2.64 v1(59.22,2.64) ; 48.53,2.74 48.43,2.64 v1(48.23,2.64)
  vias: v1(9.04,69.65) v1(10.74,70) v1(15.26,1.07) v1(16.97,1.43) v1(20.04,69.65) v1(21.74,70) v1(26.26,1.07) v1(27.97,1.43) v1(31.04,69.65) v1(32.74,70) v1(37.26,1.07) v1(38.96,1.43) v1(42.03,69.65) v1(43.74,70) v1(48.26,1.07) v1(49.97,1.43) v1(53.03,69.65) v1(54.74,70) v1(59.26,1.07) v1(60.96,1.43)
CDONE: length 130.5
  In2.Cu w0.076: v1(46.32,69.24) 46.32,68.88 46.64,68.57 46.64,68.31 46.48,68.15 46.48,66.69 46.18,66.39 ; 57.18,66.39 57.48,66.69 57.48,68.15 57.64,68.31 57.64,68.57 57.32,68.88 v1(57.32,69.24) ; 35.18,66.39 35.48,66.69 35.48,68.15 35.64,68.31 35.64,68.57 35.33,68.88 v1(35.33,69.24) ; v1(12.68,1.84) 12.68,2.19 12.36,2.51 12.36,2.77 12.52,2.93 12.52,4.38 12.83,4.69 ; v1(23.68,1.84) 23.68,2.19 23.36,2.51 23.36,2.77 23.52,2.93 23.52,4.38 23.83,4.69 ; v1(34.67,1.84) 34.67,2.19 34.36,2.51 34.36,2.77 34.52,2.93 34.52,4.38 34.82,4.69 ; v1(56.67,1.84) 56.67,2.19 56.36,2.51 56.36,2.77 56.52,2.92 56.52,4.38 56.82,4.69 ; 45.83,4.69 45.52,4.38 45.52,2.93 45.36,2.77 45.36,2.51 45.68,2.19 v1(45.68,1.84) ; 13.18,66.39 13.48,66.69 13.48,68.15 13.64,68.31 13.64,68.57 13.32,68.88 v1(13.32,69.24) ; v1(24.32,69.24) 24.32,68.88 24.64,68.57 24.64,68.31 24.48,68.15 24.48,66.69 24.18,66.39
  In2.Cu w0.125: J1#4.4 37.48,59.14 37.48,61.39 35.18,63.69 35.18,66.39 ; 23.83,4.69 23.83,7.39 21.53,9.69 21.53,11.93 J1#10.4 ; J1#3.4 48.47,59.14 48.47,61.39 46.18,63.69 46.18,66.39 ; J1.4 15.48,59.14 15.48,61.39 13.18,63.69 13.18,66.39 ; 34.82,4.69 34.82,7.39 32.52,9.69 32.52,11.93 J1#7.4 ; J1#2.4 59.47,59.14 59.47,61.39 57.18,63.69 57.18,66.39 ; J1#8.4 54.52,11.93 54.52,9.69 56.82,7.39 56.82,4.69 ; 45.83,4.69 45.83,7.39 43.53,9.69 43.53,11.93 J1#5.4 ; J1#6.4 26.48,59.14 26.48,61.39 24.18,63.69 24.18,66.39 ; 12.83,4.69 12.83,7.39 10.53,9.69 10.53,11.93 J1#9.4
CLK: length 215.6
  Top w0.076: v1(47.17,2.96) 47.05,2.96 46.98,3.03 46.47,3.03 U1#6.F2 ; U1#9.F2 12.53,68.04 12.02,68.04 11.95,68.11 v1(11.83,68.11) ; U1#8.F2 56.53,68.04 56.02,68.04 55.95,68.11 v1(55.83,68.11) ; U1#10.F2 13.47,3.03 13.98,3.03 14.05,2.96 v1(14.17,2.96) ; v1(44.83,68.11) 44.95,68.11 45.02,68.04 45.53,68.04 U1#3.F2 ; U1#2.F2 57.47,3.03 57.98,3.03 58.05,2.96 v1(58.17,2.96) ; U1#7.F2 34.53,68.04 34.02,68.04 33.95,68.11 v1(33.83,68.11) ; U1#4.F2 23.53,68.04 23.02,68.04 22.95,68.11 v1(22.83,68.11) ; U1#5.F2 24.47,3.03 24.98,3.03 25.05,2.96 v1(25.17,2.96) ; U1.F2 35.47,3.03 35.98,3.03 36.05,2.96 v1(36.17,2.96)
  In2.Cu w0.076: v1(55.83,68.11) 55.91,68.11 ; v1(14.17,2.96) 14.09,2.96 ; v1(22.83,68.11) 22.91,68.11 ; v1(58.17,2.96) 58.09,2.96 ; v1(33.83,68.11) 33.91,68.11 ; 36.11,2.95 36.11,2.95 ; 11.89,68.12 11.88,68.12 ; v1(25.17,2.96) 25.09,2.96 ; v1(44.83,68.11) 44.91,68.11 ; 14.11,2.95 14.12,2.95 ; v1(11.83,68.11) 11.91,68.11 ; 58.11,2.95 58.11,2.95 ; v1(36.17,2.96) 36.09,2.96 ; 47.11,2.95 47.12,2.95 ; 33.89,68.12 33.89,68.12 ; 25.11,2.95 25.12,2.95 ; v1(47.17,2.96) 47.09,2.96 ; 55.89,68.12 55.88,68.12 ; 22.89,68.12 22.88,68.12 ; 44.89,68.12 44.88,68.12
  In3.Cu w0.076: 11.75,66.39 12.06,66.69 12.06,67.99 11.93,68.11 v1(11.83,68.11) ; v1(36.17,2.96) 36.07,2.96 35.94,3.09 35.94,4.38 36.25,4.69 ; v1(55.83,68.11) 55.93,68.11 56.06,67.99 56.06,66.69 55.75,66.39 ; v1(33.83,68.11) 33.93,68.11 34.06,67.99 34.06,66.69 33.75,66.39 ; v1(25.17,2.96) 25.07,2.96 24.95,3.09 24.95,4.38 25.25,4.69 ; 47.25,4.69 46.94,4.38 46.94,3.09 47.07,2.96 v1(47.17,2.96) ; 14.25,4.69 13.95,4.38 13.95,3.09 14.07,2.96 v1(14.17,2.96) ; v1(22.83,68.11) 22.93,68.11 23.06,67.99 23.06,66.69 22.75,66.39 ; v1(58.17,2.96) 58.07,2.96 57.94,3.09 57.94,4.38 58.25,4.69 ; v1(44.83,68.11) 44.93,68.11 45.06,67.99 45.06,66.69 44.75,66.39
  In3.Cu w0.125: J1#3.7 42.88,54.75 42.88,61.76 44.75,63.64 44.75,66.39 ; 22.75,66.39 22.75,63.64 20.88,61.76 20.88,54.75 J1#6.7 ; 58.25,4.69 58.25,7.44 60.12,9.31 60.12,16.32 J1#8.7 ; J1.7 9.88,54.75 9.88,61.76 11.75,63.64 11.75,66.39 ; 33.75,66.39 33.75,63.64 31.88,61.76 31.88,54.75 J1#4.7 ; J1#7.7 38.12,16.32 38.12,9.31 36.25,7.44 36.25,4.69 ; 25.25,4.69 25.25,7.44 27.12,9.31 27.12,16.32 J1#10.7 ; 47.25,4.69 47.25,7.44 49.12,9.31 49.12,16.32 J1#5.7 ; 55.75,66.39 55.75,63.64 53.88,61.76 53.88,54.75 J1#2.7 ; J1#9.7 16.12,16.32 16.12,9.31 14.25,7.44 14.25,4.69
  In4.Cu w0.076: v1(47.17,2.96) 47.11,2.9 47.11,2.19 47.68,1.62 48.7,1.62 49.04,1.97 v1(49.05,1.96) ; v1(53.95,69.12) 53.96,69.11 54.3,69.45 55.32,69.45 55.89,68.88 55.89,68.17 v1(55.83,68.11) ; v1(22.83,68.11) 22.89,68.17 22.89,68.88 22.32,69.45 21.3,69.45 20.96,69.11 v1(20.95,69.12) ; v1(9.95,69.12) 9.96,69.11 10.3,69.45 11.32,69.45 11.89,68.88 11.89,68.17 v1(11.83,68.11) ; v1(25.17,2.96) 25.11,2.9 25.11,2.19 25.68,1.62 26.7,1.62 27.04,1.97 v1(27.05,1.96) ; v1(14.17,2.96) 14.11,2.9 14.11,2.19 14.68,1.62 15.7,1.62 16.04,1.97 v1(16.05,1.96) ; v1(33.83,68.11) 33.89,68.17 33.89,68.88 33.32,69.45 32.31,69.45 31.96,69.11 v1(31.95,69.12) ; v1(58.17,2.96) 58.11,2.9 58.11,2.19 58.68,1.62 59.69,1.62 60.04,1.97 v1(60.05,1.96) ; v1(42.95,69.12) 42.96,69.11 43.3,69.45 44.32,69.45 44.89,68.88 44.89,68.17 v1(44.83,68.11) ; v1(36.17,2.96) 36.11,2.9 36.11,2.19 36.68,1.62 37.69,1.62 38.04,1.97 v1(38.05,1.96)
